# KiCad board LTC6811_ESP32_V5_Main.kicad_pcb
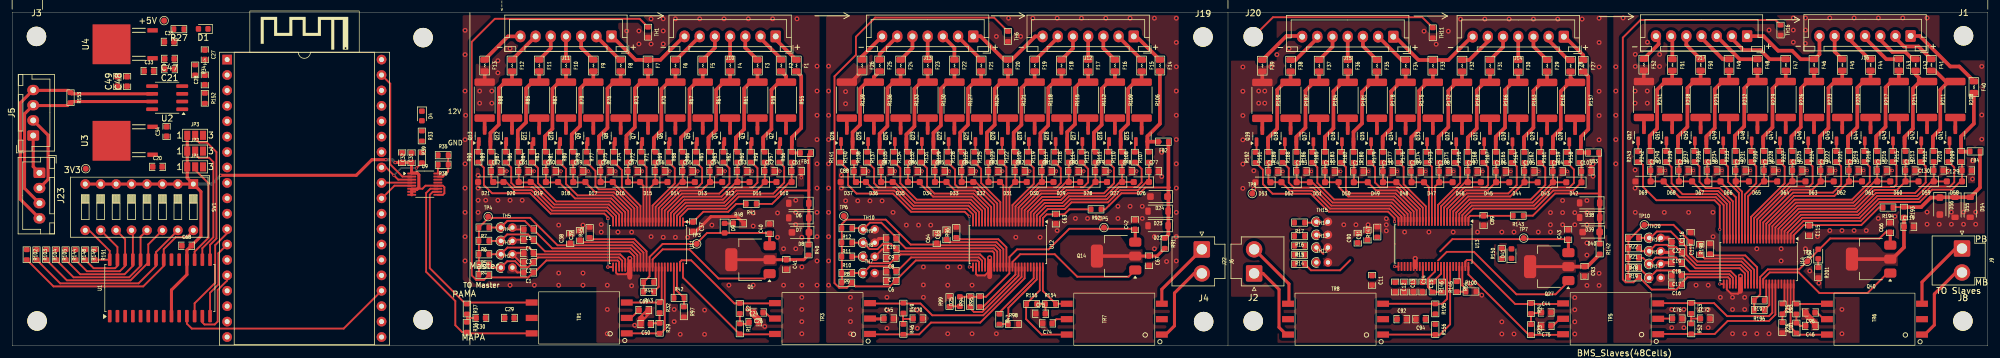
[diagram p0: board, top side]
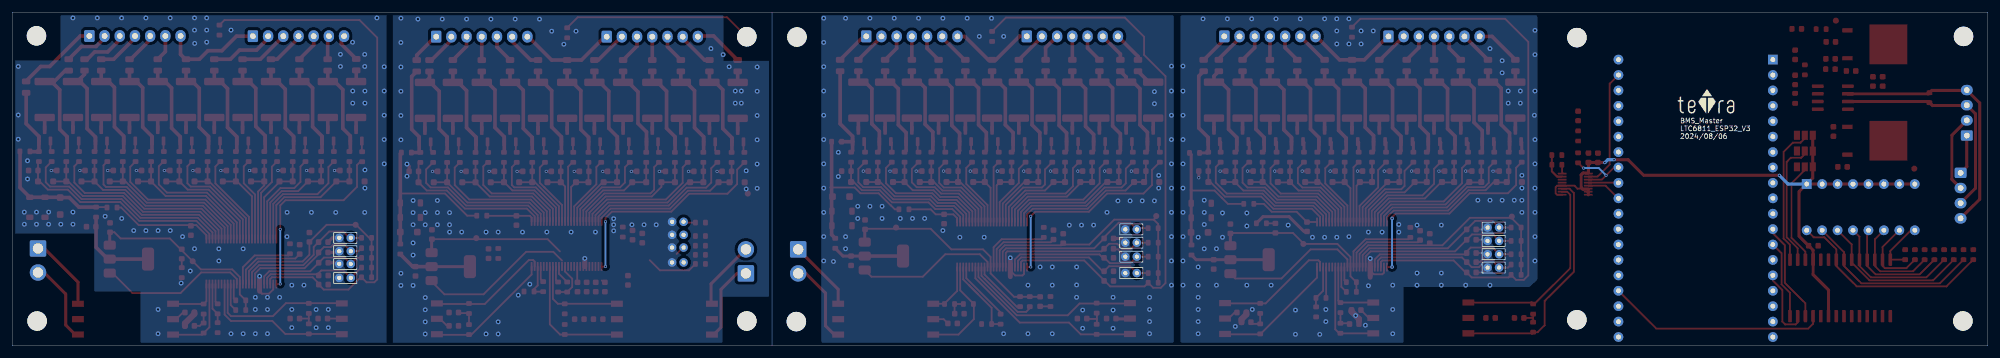
[diagram p1: board, bottom side, seen from below]

Outline 325 x 55 mm; copper layers: Top, Bottom. Coordinates in mm from the lower left corner of the outline.
Outline path: rectangle 0,55 325,0 ; 200,55 200,0
Stack: Top 0.035mm / dielectric 1.51mm FR4 er 4.5 / Bottom 0.035mm

## Placement (name value [footprint] x y rotation side)
C1  100nF/100V  [C_0603_1608Metric]  84.95 12.1 180 top
C2  100nF/100V  [C_0603_1608Metric]  84.95 13.8 180 top
C3  100nF/100V  [C_0603_1608Metric]  84.95 15.3 180 top
C4  100nF/100V  [C_0603_1608Metric]  84.95 17.49 180 top
C5  100nF/100V  [C_0603_1608Metric]  84.95 19.19 180 top
C6  100nF/100V  [C_0603_1608Metric]  144.6 10.7 180 top
C7  100nF/100V  [C_0603_1608Metric]  144.6 12.3 180 top
C8  100nF/100V  [C_0603_1608Metric]  144.6 14.5 180 top
C9  100nF/100V  [C_0603_1608Metric]  144.6 16 180 top
C10  100nF/100V  [C_0603_1608Metric]  144.6 17.7 180 top
C11  100nF/100V  [C_0603_1608Metric]  223.7 10.8 270 top
C12  100nF/100V  [C_0603_1608Metric]  227.5 9.7 270 top
C13  100nF/100V  [C_0603_1608Metric]  229 9.7 270 top
C14  100nF/100V  [C_0603_1608Metric]  230.5 9.7 270 top
C15  100nF/100V  [C_0603_1608Metric]  232 9.7 270 top
C16  100nF/100V  [C_0603_1608Metric]  273.8 10.1 180 top
C17  100nF/100V  [C_0603_1608Metric]  273.8 11.6 180 top
C18  100nF/100V  [C_0603_1608Metric]  273.8 13.7 180 top
C19  100nF/100V  [C_0603_1608Metric]  273.82 15.4 180 top
C20  2.2uF/25V  [C_0603_1608Metric]  23.9 29.5 0 top
C21  1nF/16V  [C_0603_1608Metric]  25.9 45.6 180 top
C22  100nF/100V  [C_0603_1608Metric]  273.82 17.1 180 top
C24  10nF/100V  [C_0603_1608Metric]  122 3.9 0 top
C26  10nF/100V  [C_0603_1608Metric]  122.75 5.5 180 top
C27  100nF/100V  [C_0603_1608Metric]  31.7 47.97 270 top
C28  100nF/100V  [C_0603_1608Metric]  31.7 43.83 90 top
C29  10nF/100V  [C_0603_1608Metric]  81.8 4.6 0 top
C30  10nF/100V  [C_0603_1608Metric]  77.1 4.6 180 top
C31  1uF/25V  [C_0603_1608Metric]  64.15 31 270 top
C32  100nF/100V  [C_0603_1608Metric]  65.7 31 90 top
C33  2.2uF/25V  [C_0603_1608Metric]  22.5 45.3 0 top
C34  1uF/25V  [C_0603_1608Metric]  25.4 35.32 90 top
C35  1uF/25V  [C_0603_1608Metric]  25.83 50.1 0 top
C37  100nF/100V  [C_0603_1608Metric]  112 19.62 270 top
C38  1uF/25V  [C_0603_1608Metric]  91.8 17.7 90 top
C39  1uF/25V  [C_0603_1608Metric]  93.4 18.2 90 top
C40  4.7uF/16V  [C_0603_1608Metric]  124.6 19.3 90 top
C41  100nF/100V  [C_0603_1608Metric]  127.35 13.43 270 top
C42  4.7uF/16V  [C_0603_1608Metric]  184.7 19.97 90 top
C43  4.7uF/16V  [C_0603_1608Metric]  255.95 18.36 90 top
C44  10nF/100V  [C_0603_1608Metric]  252.35 5.5 0 top
C45  10nF/100V  [C_0603_1608Metric]  144.2 4.5 0 top
C46  10nF/100V  [C_0603_1608Metric]  295.8 3.3 180 top
C47  0.1uF/50V  [C_0603_1608Metric]  25.88 47.3 180 top
C48  1nF/16V  [C_0603_1608Metric]  18.9 43.58 90 top
C49  0.1uF/50V  [C_0603_1608Metric]  17.3 43.58 90 top
C50  10nF/100V  [C_0603_1608Metric]  104.22 3.6 180 top
C51  100nF/100V  [C_0603_1608Metric]  129.03 28.8 0 top
C52  100nF/100V  [C_0603_1608Metric]  124.57 28.8 0 top
C53  100nF/100V  [C_0603_1608Metric]  120.07 28.8 0 top
C54  100nF/100V  [C_0603_1608Metric]  115.57 28.8 0 top
C55  100nF/100V  [C_0603_1608Metric]  111.07 28.8 0 top
C56  100nF/100V  [C_0603_1608Metric]  106.57 28.8 0 top
C57  100nF/100V  [C_0603_1608Metric]  102.07 28.8 0 top
C58  100nF/100V  [C_0603_1608Metric]  97.57 28.8 0 top
C59  100nF/100V  [C_0603_1608Metric]  93.07 28.8 0 top
C60  100nF/100V  [C_0603_1608Metric]  88.58 28.8 0 top
C61  100nF/100V  [C_0603_1608Metric]  84.1 28.8 0 top
C62  100nF/100V  [C_0603_1608Metric]  79.6 28.8 0 top
C63  100nF/100V  [C_0603_1608Metric]  171.7 20.9 270 top
C64  1uF/25V  [C_0603_1608Metric]  152.1 17.7 90 top
C65  1uF/25V  [C_0603_1608Metric]  153.7 18.3 90 top
C66  4.7uF/16V  [C_0603_1608Metric]  308.9 19.5 90 top
C67  100nF/100V  [C_0603_1608Metric]  187 14.03 270 top
C68  100nF/100V  [C_0603_1608Metric]  28.7 16.5 0 top
C69  10nF/100V  [C_0603_1608Metric]  103.9 5.9 0 top
C70  10nF/100V  [C_0603_1608Metric]  149 4.5 0 top
C72  10nF/100V  [C_0603_1608Metric]  278.5 4.5 0 top
C73  10nF/100V  [C_0603_1608Metric]  169.18 5.3 0 top
C74  10nF/100V  [C_0603_1608Metric]  170.3 3.7 180 top
C75  10nF/100V  [C_0603_1608Metric]  252.35 3.3 180 top
C76  10nF/100V  [C_0603_1608Metric]  273.9 4.5 0 top
C77  100nF/100V  [C_0603_1608Metric]  187.78 28.8 0 top
C78  100nF/100V  [C_0603_1608Metric]  183.38 28.8 0 top
C79  100nF/100V  [C_0603_1608Metric]  178.97 28.8 0 top
C80  100nF/100V  [C_0603_1608Metric]  174.57 28.8 0 top
C81  100nF/100V  [C_0603_1608Metric]  170.18 28.8 0 top
C82  100nF/100V  [C_0603_1608Metric]  165.78 28.8 0 top
C83  100nF/100V  [C_0603_1608Metric]  161.38 28.8 0 top
C84  100nF/100V  [C_0603_1608Metric]  156.97 28.8 0 top
C85  100nF/100V  [C_0603_1608Metric]  152.57 28.8 0 top
C86  100nF/100V  [C_0603_1608Metric]  148.12 28.8 0 top
C87  100nF/100V  [C_0603_1608Metric]  143.72 28.8 0 top
C88  100nF/100V  [C_0603_1608Metric]  139.28 28.8 0 top
C89  100nF/100V  [C_0603_1608Metric]  242.05 20.66 270 top
C90  1uF/25V  [C_0603_1608Metric]  221.35 17.76 90 top
C91  1uF/25V  [C_0603_1608Metric]  222.95 18.26 90 top
C92  10nF/100V  [C_0603_1608Metric]  228.6 4.4 0 top
C93  100nF/100V  [C_0603_1608Metric]  258.65 12.28 270 top
C94  10nF/100V  [C_0603_1608Metric]  231.7 4.4 180 top
C96  10nF/100V  [C_0603_1608Metric]  295.8 5.5 180 top
C103  100nF/100V  [C_0603_1608Metric]  258.93 28.76 0 top
C104  100nF/100V  [C_0603_1608Metric]  254.23 28.76 0 top
C105  100nF/100V  [C_0603_1608Metric]  249.55 28.76 0 top
C106  100nF/100V  [C_0603_1608Metric]  244.88 28.76 0 top
C107  100nF/100V  [C_0603_1608Metric]  240.23 28.76 0 top
C108  100nF/100V  [C_0603_1608Metric]  235.52 28.76 0 top
C109  100nF/100V  [C_0603_1608Metric]  230.9 28.76 0 top
C110  100nF/100V  [C_0603_1608Metric]  226.27 28.76 0 top
C111  100nF/100V  [C_0603_1608Metric]  221.48 28.76 0 top
C112  100nF/100V  [C_0603_1608Metric]  216.75 28.76 0 top
C113  100nF/100V  [C_0603_1608Metric]  212.07 28.76 0 top
C114  100nF/100V  [C_0603_1608Metric]  207.43 28.76 0 top
C115  100nF/100V  [C_0603_1608Metric]  295.6 19 270 top
C116  1uF/25V  [C_0603_1608Metric]  276.1 17.9 90 top
C117  1uF/25V  [C_0603_1608Metric]  277.7 15.9 90 top
C119  100nF/100V  [C_0603_1608Metric]  312 19.64 0 top
C129  100nF/100V  [C_0603_1608Metric]  321.52 28.9 0 top
C130  100nF/100V  [C_0603_1608Metric]  316.88 28.9 0 top
C131  100nF/100V  [C_0603_1608Metric]  312.23 28.9 0 top
C132  100nF/100V  [C_0603_1608Metric]  307.57 28.9 0 top
C133  100nF/100V  [C_0603_1608Metric]  302.93 28.9 0 top
C134  100nF/100V  [C_0603_1608Metric]  298.27 28.9 0 top
C135  100nF/100V  [C_0603_1608Metric]  293.62 28.9 0 top
C136  100nF/100V  [C_0603_1608Metric]  288.98 28.9 0 top
C137  100nF/100V  [C_0603_1608Metric]  284.3 28.9 0 top
C138  100nF/100V  [C_0603_1608Metric]  279.62 28.9 0 top
C139  100nF/100V  [C_0603_1608Metric]  274.95 28.9 0 top
C140  100nF/100V  [C_0603_1608Metric]  270.3 28.9 0 top
D1  LED Red  [LED_0603_1608Metric]  31.44 52.24 180 top
D4  LED Red  [LED_0603_1608Metric]  67.4 37.89 270 top
D6  1N4148W  [D_SOD-123]  129.4 23.5 180 top
D7  1N4148W  [D_SOD-123]  129.4 21.1 180 top
D8  BZT52H-C62  [D_SOD-123F]  129.68 18.7 180 top
D9  LED Red  [LED_0603_1608Metric]  117.2 19.4 270 top
D10  PDZ7.5B  [D_SOD-323_HandSoldering]  126.97 27 180 top
D11  PDZ7.5B  [D_SOD-323_HandSoldering]  122.55 27 180 top
D12  PDZ7.5B  [D_SOD-323_HandSoldering]  118.05 27 180 top
D13  PDZ7.5B  [D_SOD-323_HandSoldering]  113.55 27 180 top
D14  PDZ7.5B  [D_SOD-323_HandSoldering]  109.05 27 180 top
D15  PDZ7.5B  [D_SOD-323_HandSoldering]  104.55 27 180 top
D16  PDZ7.5B  [D_SOD-323_HandSoldering]  100.05 27 180 top
D17  PDZ7.5B  [D_SOD-323_HandSoldering]  95.55 27 180 top
D18  PDZ7.5B  [D_SOD-323_HandSoldering]  91.05 27 180 top
D19  PDZ7.5B  [D_SOD-323_HandSoldering]  86.55 27 180 top
D20  PDZ7.5B  [D_SOD-323_HandSoldering]  82.08 27 180 top
D21  PDZ7.5B  [D_SOD-323_HandSoldering]  77.9 27 180 top
D22  1N4148W  [D_SOD-123]  188.5 19.8 180 top
D23  1N4148W  [D_SOD-123]  188.5 22.2 180 top
D24  BZT52H-C62  [D_SOD-123F]  188.65 24.6 180 top
D25  LED Red  [LED_0603_1608Metric]  155.9 7.3 90 top
D26  PDZ7.5B  [D_SOD-323_HandSoldering]  185.75 27 180 top
D27  PDZ7.5B  [D_SOD-323_HandSoldering]  181.35 27 180 top
D28  PDZ7.5B  [D_SOD-323_HandSoldering]  176.95 27 180 top
D29  PDZ7.5B  [D_SOD-323_HandSoldering]  172.55 27 180 top
D30  PDZ7.5B  [D_SOD-323_HandSoldering]  168.15 27 180 top
D31  PDZ7.5B  [D_SOD-323_HandSoldering]  163.75 27 180 top
D32  PDZ7.5B  [D_SOD-323_HandSoldering]  159.35 27 180 top
D33  PDZ7.5B  [D_SOD-323_HandSoldering]  154.95 27 180 top
D34  PDZ7.5B  [D_SOD-323_HandSoldering]  150.55 27 180 top
D35  PDZ7.5B  [D_SOD-323_HandSoldering]  146.1 27 180 top
D36  PDZ7.5B  [D_SOD-323_HandSoldering]  141.7 27 180 top
D37  PDZ7.5B  [D_SOD-323_HandSoldering]  137.55 27 180 top
D38  1N4148W  [D_SOD-123]  259.5 23.56 180 top
D39  1N4148W  [D_SOD-123]  259.5 21.16 180 top
D40  BZT52H-C62  [D_SOD-123F]  259.75 18.76 180 top
D41  LED Red  [LED_0603_1608Metric]  246.64 15.2 90 top
D42  PDZ7.5B  [D_SOD-323_HandSoldering]  256.9 26.96 180 top
D43  PDZ7.5B  [D_SOD-323_HandSoldering]  252.2 26.96 180 top
D44  PDZ7.5B  [D_SOD-323_HandSoldering]  247.52 26.96 180 top
D45  PDZ7.5B  [D_SOD-323_HandSoldering]  242.85 26.97 180 top
D46  PDZ7.5B  [D_SOD-323_HandSoldering]  238.2 26.97 180 top
D47  PDZ7.5B  [D_SOD-323_HandSoldering]  233.5 26.97 180 top
D48  PDZ7.5B  [D_SOD-323_HandSoldering]  228.95 26.97 180 top
D49  PDZ7.5B  [D_SOD-323_HandSoldering]  224.25 26.97 180 top
D50  PDZ7.5B  [D_SOD-323_HandSoldering]  219.45 26.97 180 top
D51  PDZ7.5B  [D_SOD-323_HandSoldering]  214.72 26.97 180 top
D52  PDZ7.5B  [D_SOD-323_HandSoldering]  210.05 26.97 180 top
D53  PDZ7.5B  [D_SOD-323_HandSoldering]  205.75 26.96 180 top
D54  1N4148W  [D_SOD-123]  322.1 22.84 270 top
D55  1N4148W  [D_SOD-123]  319.6 22.84 270 top
D56  BZT52H-C62  [D_SOD-123F]  317.1 23.04 270 top
D57  LED Red  [LED_0603_1608Metric]  297.1 15.14 90 top
D58  PDZ7.5B  [D_SOD-323_HandSoldering]  319.5 27.1 180 top
D59  PDZ7.5B  [D_SOD-323_HandSoldering]  314.85 27.1 180 top
D60  PDZ7.5B  [D_SOD-323_HandSoldering]  310.2 27.1 180 top
D61  PDZ7.5B  [D_SOD-323_HandSoldering]  305.55 27.1 180 top
D62  PDZ7.5B  [D_SOD-323_HandSoldering]  300.9 27.1 180 top
D63  PDZ7.5B  [D_SOD-323_HandSoldering]  296.25 27.1 180 top
D64  PDZ7.5B  [D_SOD-323_HandSoldering]  291.6 27.1 180 top
D65  PDZ7.5B  [D_SOD-323_HandSoldering]  286.95 27.1 180 top
D66  PDZ7.5B  [D_SOD-323_HandSoldering]  282.27 27.1 180 top
D67  PDZ7.5B  [D_SOD-323_HandSoldering]  277.6 27.1 180 top
D68  PDZ7.5B  [D_SOD-323_HandSoldering]  272.93 27.1 180 top
D69  PDZ7.5B  [D_SOD-323_HandSoldering]  268.27 27.1 180 top
F1  MPZ2012S102ATD25  [Fuse_0805_2012Metric]  129 46.2 270 top
F2  MPZ2012S102ATD25  [Fuse_0805_2012Metric]  126.5 46.2 270 top
F3  MPZ2012S102ATD25  [Fuse_0805_2012Metric]  122.6 46.2 270 top
F4  MPZ2012S102ATD25  [Fuse_0805_2012Metric]  118.1 46.2 270 top
F5  MPZ2012S102ATD25  [Fuse_0805_2012Metric]  113.6 46.2 270 top
F6  MPZ2012S102ATD25  [Fuse_0805_2012Metric]  109.1 46.2 270 top
F7  MPZ2012S102ATD25  [Fuse_0805_2012Metric]  104.6 46.2 270 top
F8  MPZ2012S102ATD25  [Fuse_0805_2012Metric]  100.1 46.2 270 top
F9  MPZ2012S102ATD25  [Fuse_0805_2012Metric]  95.6 46.2 270 top
F10  MPZ2012S102ATD25  [Fuse_0805_2012Metric]  91.1 46.2 270 top
F11  MPZ2012S102ATD25  [Fuse_0805_2012Metric]  86.7 46.2 270 top
F12  MPZ2012S102ATD25  [Fuse_0805_2012Metric]  82.22 46.2 270 top
F13  MPZ2012S102ATD25  [Fuse_0805_2012Metric]  77.72 46.2 270 top
F14  MPZ2012S102ATD25  [Fuse_0805_2012Metric]  188.8 46.2 270 top
F15  MPZ2012S102ATD25  [Fuse_0805_2012Metric]  185.8 46.2 270 top
F16  MPZ2012S102ATD25  [Fuse_0805_2012Metric]  181.4 46.2 270 top
F17  MPZ2012S102ATD25  [Fuse_0805_2012Metric]  177 46.2 270 top
F18  MPZ2012S102ATD25  [Fuse_0805_2012Metric]  172.6 46.2 270 top
F19  MPZ2012S102ATD25  [Fuse_0805_2012Metric]  168.2 46.2 270 top
F20  MPZ2012S102ATD25  [Fuse_0805_2012Metric]  163.8 46.2 270 top
F21  MPZ2012S102ATD25  [Fuse_0805_2012Metric]  159.4 46.2 270 top
F22  MPZ2012S102ATD25  [Fuse_0805_2012Metric]  155 46.2 270 top
F23  MPZ2012S102ATD25  [Fuse_0805_2012Metric]  150.6 46.2 270 top
F24  MPZ2012S102ATD25  [Fuse_0805_2012Metric]  146.15 46.2 270 top
F25  MPZ2012S102ATD25  [Fuse_0805_2012Metric]  142.7 46.2 270 top
F26  MPZ2012S102ATD25  [Fuse_0805_2012Metric]  139.8 46.2 270 top
F27  MPZ2012S102ATD25  [Fuse_0805_2012Metric]  258.45 46.16 270 top
F28  MPZ2012S102ATD25  [Fuse_0805_2012Metric]  256.35 46.16 270 top
F29  MPZ2012S102ATD25  [Fuse_0805_2012Metric]  252.5 46.17 270 top
F30  MPZ2012S102ATD25  [Fuse_0805_2012Metric]  247.75 46.16 270 top
F31  MPZ2012S102ATD25  [Fuse_0805_2012Metric]  243.1 46.17 270 top
F32  MPZ2012S102ATD25  [Fuse_0805_2012Metric]  238.5 46.17 270 top
F33  MPZ2012S102ATD25  [Fuse_0805_2012Metric]  233.7 46.17 270 top
F34  MPZ2012S102ATD25  [Fuse_0805_2012Metric]  229.23 46.17 270 top
F35  MPZ2012S102ATD25  [Fuse_0805_2012Metric]  224.5 46.17 270 top
F36  MPZ2012S102ATD25  [Fuse_0805_2012Metric]  219.7 46.17 270 top
F37  MPZ2012S102ATD25  [Fuse_0805_2012Metric]  215 46.17 270 top
F38  MPZ2012S102ATD25  [Fuse_0805_2012Metric]  210.3 46.17 270 top
F39  MPZ2012S102ATD25  [Fuse_0805_2012Metric]  205.65 46.17 270 top
F40  MPZ2012S102ATD25  [Fuse_0805_2012Metric]  322.7 42.64 270 top
F41  MPZ2012S102ATD25  [Fuse_0805_2012Metric]  315.7 46.3 270 top
F42  MPZ2012S102ATD25  [Fuse_0805_2012Metric]  313.1 46.3 270 top
F43  MPZ2012S102ATD25  [Fuse_0805_2012Metric]  310.35 46.3 270 top
F44  MPZ2012S102ATD25  [Fuse_0805_2012Metric]  305.7 46.3 270 top
F45  MPZ2012S102ATD25  [Fuse_0805_2012Metric]  301.05 46.3 270 top
F46  MPZ2012S102ATD25  [Fuse_0805_2012Metric]  296.4 46.3 270 top
F47  MPZ2012S102ATD25  [Fuse_0805_2012Metric]  291.75 46.3 270 top
F48  MPZ2012S102ATD25  [Fuse_0805_2012Metric]  287.1 46.3 270 top
F49  MPZ2012S102ATD25  [Fuse_0805_2012Metric]  282.43 46.3 270 top
F50  MPZ2012S102ATD25  [Fuse_0805_2012Metric]  277.75 46.3 270 top
F51  MPZ2012S102ATD25  [Fuse_0805_2012Metric]  273.1 46.3 270 top
F52  MPZ2012S102ATD25  [Fuse_0805_2012Metric]  268.4 46.34 270 top
FB1  BLM18PG330SN1D  [R_0603_1608Metric]  130.5 31.8 180 top
FB2  BLM18PG330SN1D  [R_0603_1608Metric]  189.38 33.65 180 top
FB3  BLM18PG330SN1D  [R_0603_1608Metric]  260.15 31.86 180 top
FB4  BLM18PG330SN1D  [R_0603_1608Metric]  322.9 32.05 180 top
J1  Hole /NC  [MountingHole_3.2mm_M3_ISO7380]  321 51.09 0 top
J2  Hole /NC  [MountingHole_3.2mm_M3_ISO7380]  204.15 4.1 0 top
J3  Hole /NC  [MountingHole_3.2mm_M3_ISO7380]  4 51 0 top
J4  Hole /NC  [MountingHole_3.2mm_M3_ISO7380]  196 4 0 top
J5  CAN  [JST_XH_B4B-XH-A_1x04_P2.50mm_Vertical]  3.46 34.66 90 top
J6  B2P-VH-B  [JST_VH_B2P-VH-B_1x02_P3.96mm_Vertical]  195.7 15.9 270 top
J7  Hole /NC  [MountingHole_3.2mm_M3_ISO7380]  4.1 4.1 0 top
J8  Hole /NC  [MountingHole_3.2mm_M3_ISO7380]  320.9 4.09 0 top
J9  B2P-VH-B  [JST_VH_B2P-VH-B_1x02_P3.96mm_Vertical]  320.75 16.05 270 top
J10  B7B-XH-A  [JST_XH_B7B-XH-A_1x07_P2.50mm_Vertical_BAT_6S]  125.6 51 180 top
J11  B7B-XH-A  [JST_XH_B7B-XH-A_1x07_P2.50mm_Vertical_BAT_6S]  98.6 51 180 top
J12  B7B-XH-A  [JST_XH_B7B-XH-A_1x07_P2.50mm_Vertical_BAT_6S]  184.5 51 180 top
J13  B7B-XH-A  [JST_XH_B7B-XH-A_1x07_P2.50mm_Vertical_BAT_6S]  158.1 51 180 top
J14  B7B-XH-A  [JST_XH_B7B-XH-A_1x07_P2.50mm_Vertical_BAT_6S]  255.25 50.96 180 top
J15  B7B-XH-A  [JST_XH_B7B-XH-A_1x07_P2.50mm_Vertical_BAT_6S]  227.2 50.96 180 top
J16  B7B-XH-A  [JST_XH_B7B-XH-A_1x07_P2.50mm_Vertical_BAT_6S]  312.3 51.07 180 top
J17  B7B-XH-A  [JST_XH_B7B-XH-A_1x07_P2.50mm_Vertical_BAT_6S]  285.4 51.04 180 top
J18  Hole /NC  [MountingHole_3.2mm_M3_ISO7380]  67.6 50.8 0 top
J19  Hole /NC  [MountingHole_3.2mm_M3_ISO7380]  195.9 50.9 0 top
J20  Hole /NC  [MountingHole_3.2mm_M3_ISO7380]  204.15 50.95 0 top
J21  Hole /NC  [MountingHole_3.2mm_M3_ISO7380]  67.6 4.3 0 top
J22  B2P-VH-B  [JST_VH_B2P-VH-B_1x02_P3.96mm_Vertical]  204.3 11.94 90 top
J23  CAN  [JST_XH_B4B-XH-A_1x04_P2.50mm_Vertical]  4.49 28.51 270 top
JP1  SolderJumper_3_Bridged12  [SolderJumper-3_P1.3mm_Open_Pad1.0x1.5mm_NumberLabels]  30.1 29.5 0 top
JP2  SolderJumper_3_Bridged12  [SolderJumper-3_P1.3mm_Open_Pad1.0x1.5mm_NumberLabels]  30.1 32.1 0 top
JP3  SolderJumper_3_Bridged12  [SolderJumper-3_P1.3mm_Open_Pad1.0x1.5mm_NumberLabels]  30.1 34.7 0 top
LOGO1  teTra /NC  [teTra-LOGO]  264.5 -9.2 0 top
LOGO2  teTra /NC  [teTra-LOGO]  46.2 40.26 180 bottom
Q1  NSV1C201MZ4  [SOT-223]  121.45 14.2 180 top
Q2  TSM2323  [SOT-23]  127.3 34.6 90 top
Q3  TSM2323  [SOT-23]  122.6 34.6 90 top
Q4  TSM2323  [SOT-23]  118.1 34.6 90 top
Q5  TSM2323  [SOT-23]  113.6 34.6 90 top
Q6  TSM2323  [SOT-23]  109.1 34.6 90 top
Q7  TSM2323  [SOT-23]  104.6 34.6 90 top
Q8  TSM2323  [SOT-23]  100.1 34.6 90 top
Q9  TSM2323  [SOT-23]  95.6 34.6 90 top
Q10  TSM2323  [SOT-23]  91.1 34.6 90 top
Q11  TSM2323  [SOT-23]  86.7 34.6 90 top
Q12  TSM2323  [SOT-23]  82.22 34.6 90 top
Q13  TSM2323  [SOT-23]  77.72 34.6 90 top
Q14  NSV1C201MZ4  [SOT-223]  181.6 14.8 180 top
Q15  TSM2323  [SOT-23]  185.8 34.6 90 top
Q16  TSM2323  [SOT-23]  181.4 34.6 90 top
Q17  TSM2323  [SOT-23]  177 34.6 90 top
Q18  TSM2323  [SOT-23]  172.6 34.6 90 top
Q19  TSM2323  [SOT-23]  168.2 34.6 90 top
Q20  TSM2323  [SOT-23]  163.8 34.6 90 top
Q21  TSM2323  [SOT-23]  159.4 34.6 90 top
Q22  TSM2323  [SOT-23]  155 34.6 90 top
Q23  TSM2323  [SOT-23]  150.6 34.6 90 top
Q24  TSM2323  [SOT-23]  146.15 34.6 90 top
Q25  TSM2323  [SOT-23]  141.75 34.6 90 top
Q26  TSM2323  [SOT-23]  137.3 34.6 90 top
Q27  NSV1C201MZ4  [SOT-223]  252.85 13.06 180 top
Q28  TSM2323  [SOT-23]  257.1 34.56 90 top
Q29  TSM2323  [SOT-23]  252.5 34.57 90 top
Q30  TSM2323  [SOT-23]  247.75 34.56 90 top
Q31  TSM2323  [SOT-23]  243.1 34.57 90 top
Q32  TSM2323  [SOT-23]  238.5 34.57 90 top
Q33  TSM2323  [SOT-23]  233.7 34.57 90 top
Q34  TSM2323  [SOT-23]  229.23 34.57 90 top
Q35  TSM2323  [SOT-23]  224.5 34.57 90 top
Q36  TSM2323  [SOT-23]  219.7 34.57 90 top
Q37  TSM2323  [SOT-23]  215 34.57 90 top
Q38  TSM2323  [SOT-23]  210.3 34.57 90 top
Q39  TSM2323  [SOT-23]  205.65 34.56 90 top
Q40  NSV1C201MZ4  [SOT-223]  305.8 14.3 180 top
Q41  TSM2323  [SOT-23]  319.65 34.7 90 top
Q42  TSM2323  [SOT-23]  315 34.7 90 top
Q43  TSM2323  [SOT-23]  310.35 34.7 90 top
Q44  TSM2323  [SOT-23]  305.7 34.7 90 top
Q45  TSM2323  [SOT-23]  301.05 34.7 90 top
Q46  TSM2323  [SOT-23]  296.4 34.7 90 top
Q47  TSM2323  [SOT-23]  291.75 34.7 90 top
Q48  TSM2323  [SOT-23]  287.1 34.7 90 top
Q49  TSM2323  [SOT-23]  282.43 34.7 90 top
Q50  TSM2323  [SOT-23]  277.75 34.7 90 top
Q51  TSM2323  [SOT-23]  273.07 34.7 90 top
Q52  TSM2323  [SOT-23]  268.43 34.7 90 top
R1  49.9R  [R_0603_1608Metric]  119.7 2.8 270 top
R2  49.9R  [R_0603_1608Metric]  119.7 6.18 270 top
R3  10K  [R_0603_1608Metric]  77.6 11.7 0 top
R4  10K  [R_0603_1608Metric]  77.6 13.4 180 top
R5  10K  [R_0603_1608Metric]  77.6 15.1 180 top
R6  10K  [R_0603_1608Metric]  77.6 17.3 180 top
R7  10K  [R_0603_1608Metric]  77.6 19.5 180 top
R8  10K  [R_0603_1608Metric]  137.3 10.4 0 top
R9  10K  [R_0603_1608Metric]  137.3 12 180 top
R10  10K  [R_0603_1608Metric]  137.3 14.7 180 top
R11  10K  [R_0603_1608Metric]  137.3 17 180 top
R12  10K  [R_0603_1608Metric]  137.31 19.4 180 top
R13  10K  [R_0603_1608Metric]  211.78 13.5 0 top
R14  10K  [R_0603_1608Metric]  211.78 15 180 top
R15  10K  [R_0603_1608Metric]  211.78 16.5 180 top
R16  10K  [R_0603_1608Metric]  211.78 18.1 180 top
R17  10K  [R_0603_1608Metric]  211.78 20.31 180 top
R18  10K  [R_0603_1608Metric]  266.7 11.3 0 top
R19  10K  [R_0603_1608Metric]  266.7 12.9 180 top
R20  10K  [R_0603_1608Metric]  266.7 14.5 180 top
R21  10K  [R_0603_1608Metric]  266.7 16.1 180 top
R22  10K  [R_0603_1608Metric]  266.7 17.8 180 top
R23  49.9R  [R_0603_1608Metric]  249.85 2.68 270 top
R24  49.9R  [R_0603_1608Metric]  249.85 6.16 270 top
R25  51R  [R_0603_1608Metric]  293.5 6.07 90 top
R26  51R  [R_0603_1608Metric]  293.5 2.94 90 top
R27  470R  [R_0603_1608Metric]  27.42 52.2 180 top
R29  51R  [R_0603_1608Metric]  106.5 2.9 270 top
R32  51R  [R_0603_1608Metric]  106.5 6.3 270 top
R33  470R  [R_0603_1608Metric]  67.4 34.59 270 top
R34  10K  [R_0603_1608Metric]  30.1 45.47 270 top
R35  1K  [R_0603_1608Metric]  70.9 31.44 0 top
R36  49.9R  [R_0603_1608Metric]  74.8 3.07 270 top
R37  49.9R  [R_0603_1608Metric]  74.8 6.07 270 top
R38  1K  [R_0603_1608Metric]  70.9 29.85 180 top
R39  2K  [R_0603_1608Metric]  67.4 31 270 top
R40  100R  [R_0603_1608Metric]  131 15.8 270 top
R41  100R  [R_0603_1608Metric]  121.57 23.4 180 top
R42  1K  [R_0603_1608Metric]  109.7 7.9 0 top
R43  0  [R_0603_1608Metric]  104.7 8.9 180 top
R44  1M  [R_0603_1608Metric]  104.7 10.5 180 top
R45  0  [R_0603_1608Metric]  95 18.7 90 top
R46  49.9R  [R_0603_1608Metric]  146.6 2.72 270 top
R47  1K  [R_0603_1608Metric]  162.4 4.4 270 top
R48  1.2K  [R_0603_1608Metric]  119.5 20.2 0 top
R49  49.9R  [R_0603_1608Metric]  146.6 6.22 270 top
R52  49.9R  [R_0603_1608Metric]  276.2 2.8 270 top
R53  49.9R  [R_0603_1608Metric]  276.2 6.18 270 top
R54  1K  [R_0603_1608Metric]  237.65 9.76 270 top
R55  36R 1W 2512  [R_2512_6332Metric]  127.3 40.5 270 top
R56  100R  [R_0603_1608Metric]  128.25 31.1 90 top
R57  3.3K  [R_0603_1608Metric]  126.2 31.1 90 top
R58  36R 1W 2512  [R_2512_6332Metric]  122.6 40.5 270 top
R59  100R  [R_0603_1608Metric]  123.8 31.1 90 top
R60  3.3K  [R_0603_1608Metric]  121.5 31.1 90 top
R61  36R 1W 2512  [R_2512_6332Metric]  118.1 40.5 270 top
R62  100R  [R_0603_1608Metric]  119.3 31.1 90 top
R63  3.3K  [R_0603_1608Metric]  117 31.1 90 top
R64  36R 1W 2512  [R_2512_6332Metric]  113.6 40.5 270 top
R65  100R  [R_0603_1608Metric]  114.8 31.1 90 top
R66  3.3K  [R_0603_1608Metric]  112.5 31.1 90 top
R67  36R 1W 2512  [R_2512_6332Metric]  109.1 40.5 270 top
R68  100R  [R_0603_1608Metric]  110.3 31.1 90 top
R69  3.3K  [R_0603_1608Metric]  108 31.1 90 top
R70  36R 1W 2512  [R_2512_6332Metric]  104.6 40.5 270 top
R71  100R  [R_0603_1608Metric]  105.8 31.1 90 top
R72  3.3K  [R_0603_1608Metric]  103.5 31.1 90 top
R73  36R 1W 2512  [R_2512_6332Metric]  100.1 40.5 270 top
R74  100R  [R_0603_1608Metric]  101.3 31.1 90 top
R75  3.3K  [R_0603_1608Metric]  99 31.1 90 top
R76  36R 1W 2512  [R_2512_6332Metric]  95.6 40.5 270 top
R77  100R  [R_0603_1608Metric]  96.8 31.1 90 top
R78  3.3K  [R_0603_1608Metric]  94.5 31.1 90 top
R79  36R 1W 2512  [R_2512_6332Metric]  91.1 40.5 270 top
R80  100R  [R_0603_1608Metric]  92.3 31.1 90 top
R81  3.3K  [R_0603_1608Metric]  90 31.1 90 top
R82  36R 1W 2512  [R_2512_6332Metric]  86.7 40.5 270 top
R83  100R  [R_0603_1608Metric]  87.8 31.1 90 top
R84  3.3K  [R_0603_1608Metric]  85.5 31.1 90 top
R85  36R 1W 2512  [R_2512_6332Metric]  82.22 40.5 270 top
R86  100R  [R_0603_1608Metric]  83.33 31.1 90 top
R87  3.3K  [R_0603_1608Metric]  81.2 31.1 90 top
R88  36R 1W 2512  [R_2512_6332Metric]  77.72 40.5 270 top
R89  100R  [R_0603_1608Metric]  78.83 31.1 90 top
R90  3.3K  [R_0603_1608Metric]  76.67 31.1 90 top
R91  100R  [R_0603_1608Metric]  189.6 16.9 270 top
R92  100R  [R_0603_1608Metric]  178.3 22.5 180 top
R93  1K  [R_0603_1608Metric]  291.2 6.1 270 top
R94  0  [R_0603_1608Metric]  157.6 7.29 90 top
R95  1M  [R_0603_1608Metric]  159.2 7.29 90 top
R96  0  [R_0603_1608Metric]  155.3 18.7 90 top
R97  1K  [R_0603_1608Metric]  110.5 5.6 270 top
R98  1K  [R_0603_1608Metric]  164.7 3.6 0 top
R99  1.2K  [R_0603_1608Metric]  154.2 7.31 90 top